# Altium PCB can_gateway_4.PcbDoc (part 1 of 2) (continued)
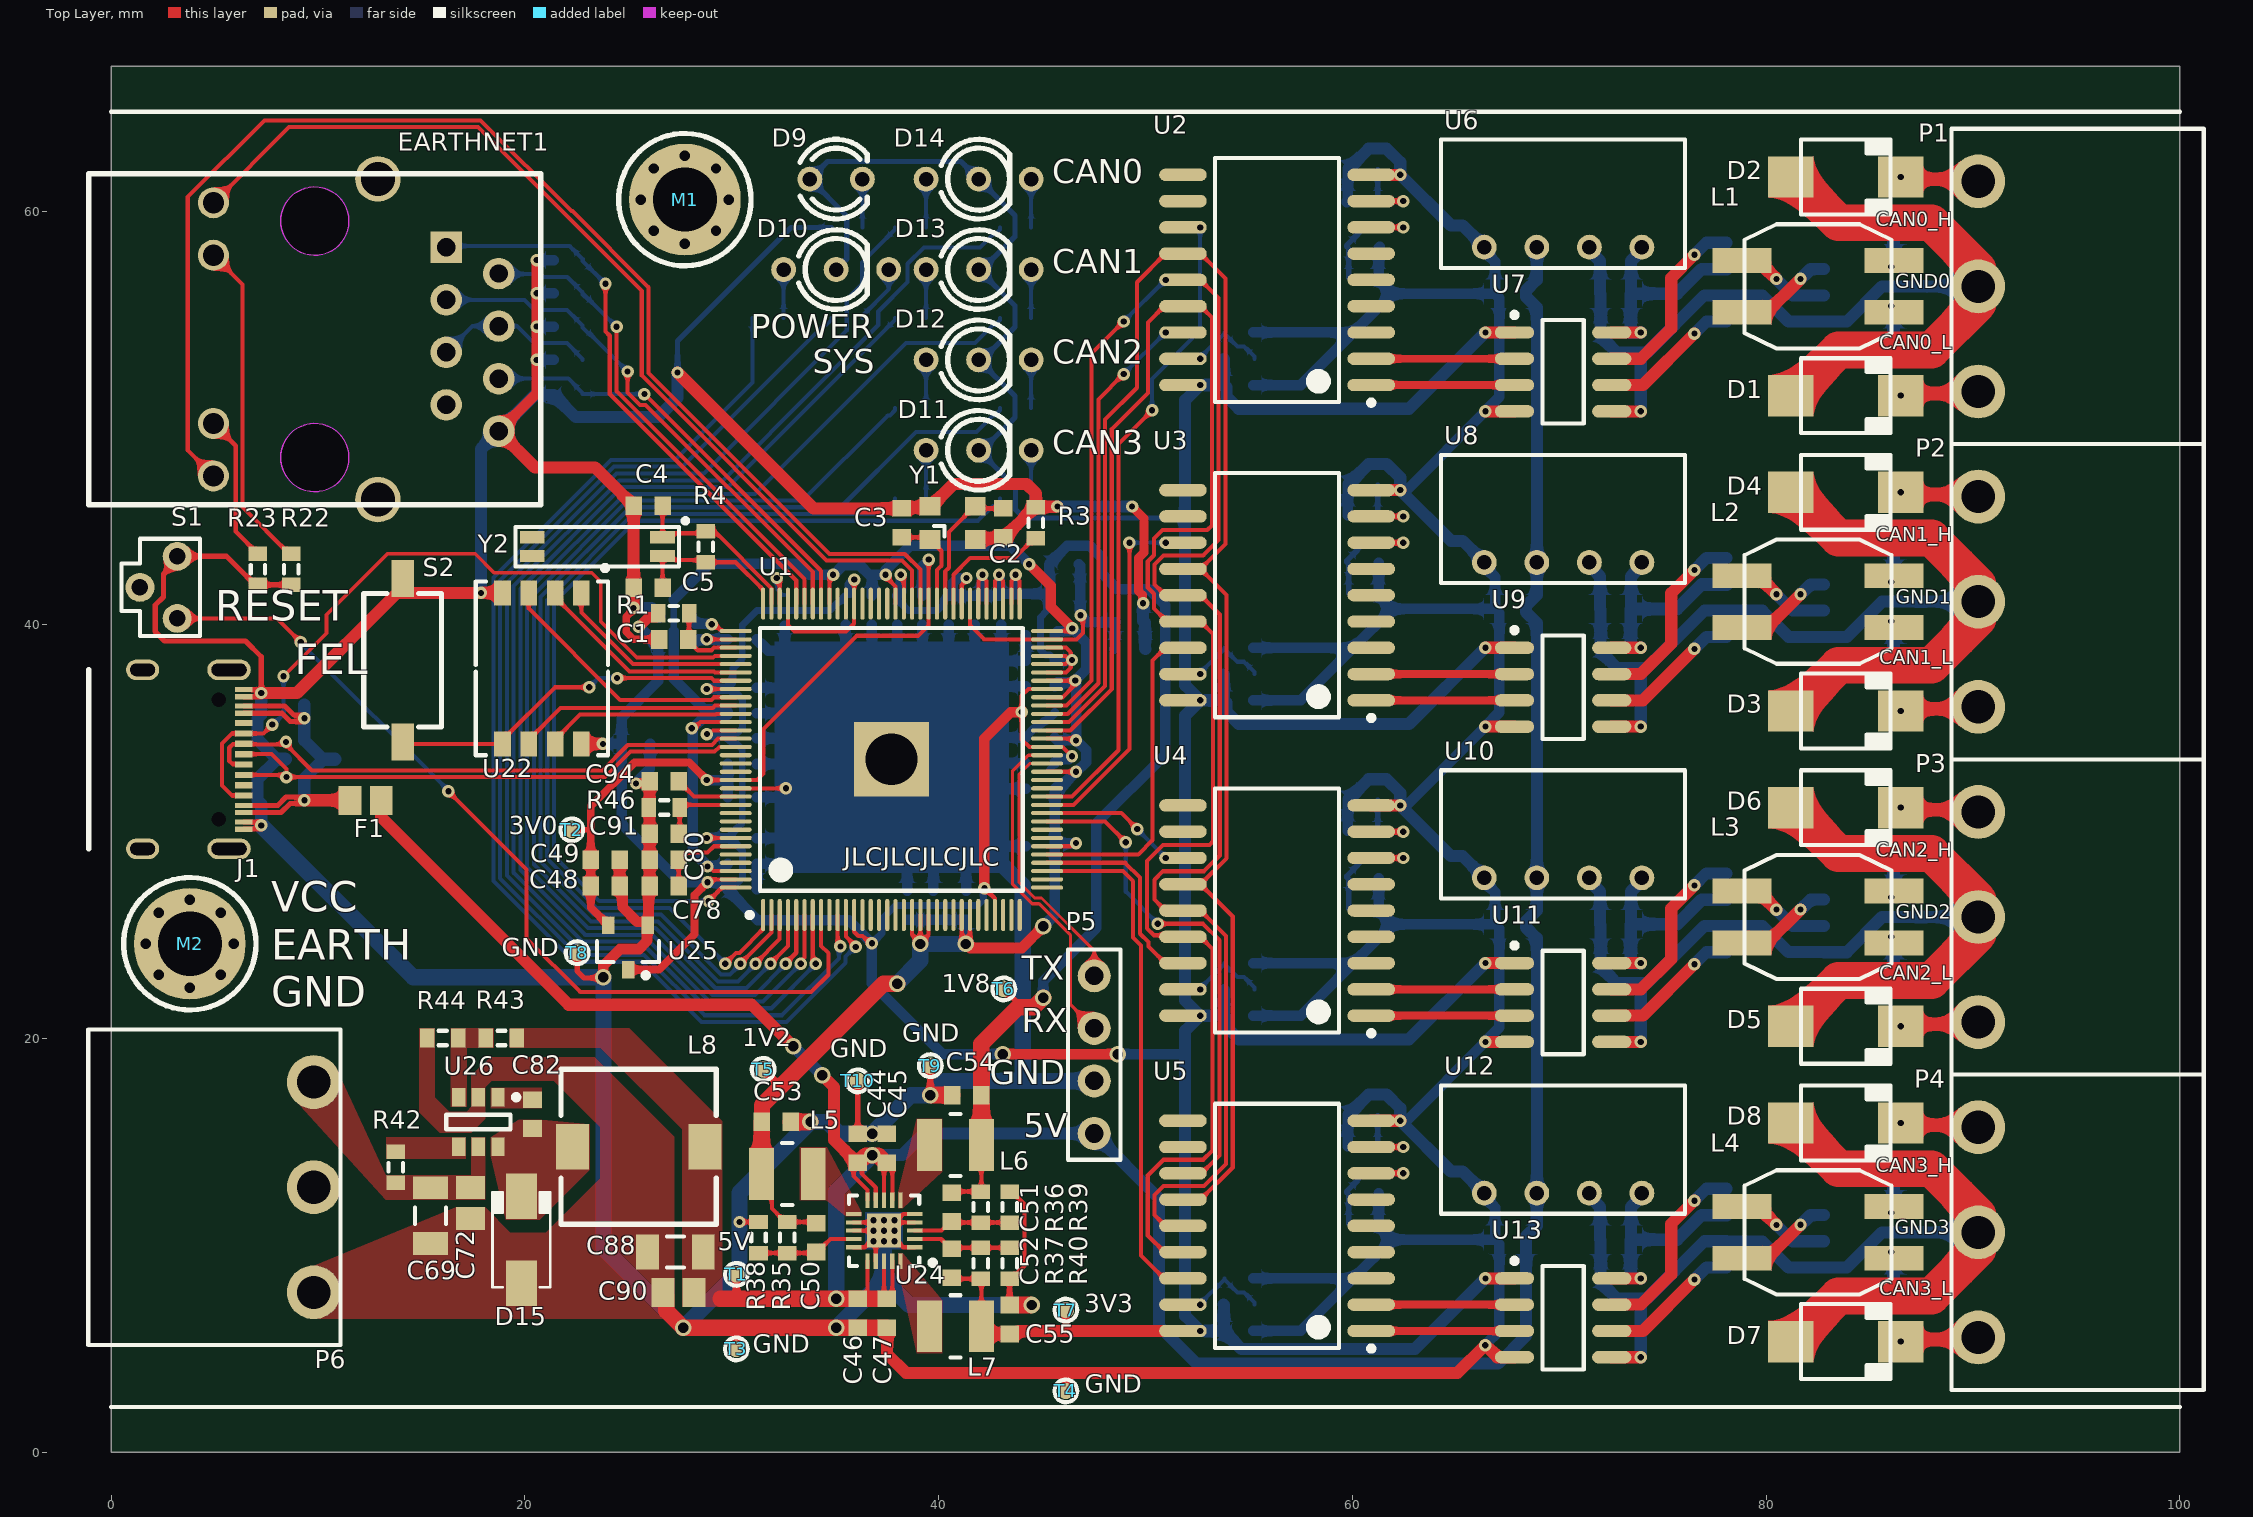
[diagram p0: Top Layer view]
## Footprints (in the part's own frame and the unit in brackets; to place one, negate y for a bottom-side part, rotate by r counter-clockwise, add the part's x,y. Pads: shape width x height; smd on the part's side, far side on the other; paste and mask are expansions set on the pad)
B_S-1WR2 [mm]
  round 1.2 hole 0.7: 1(0,0) 2(2.54,0) 3(5.08,0) 4(7.62,0)
  silkscreen extent -2.09,-1 9.71,5.2
CAPC1608L [mm] "Chip Capacitor, Body 1.6x0.8mm, IPC High Density"
  rect 0.8x0.9 smd: 1(-0.7,0) 2(0.7,0)
  body extent -0.87,-0.48 0.87,0.48, height 0.85
CAPC2012L [mm] "Chip Capacitor, Body 2.0x1.3mm, IPC High Density"
  rect 1.1x1.4 smd: 1(-0.75,0) 2(0.75,0)
  body extent -1.1,-0.72 1.1,0.72, height 1.4
CAPC3216L [mm] "Chip Capacitor, Body 3.2x1.6mm, IPC High Density"
  rect 1.1x1.7 smd: 1(-1.35,0) 2(1.35,0)
  silkscreen extent -0.4,-0.75 0.4,0.75, body extent -1.7,-0.9 1.7,0.9, height 1.35
DO-214AA [mm] "SMB"
  rect 2.2x2 smd: 1(-2.659,0) 2(2.661,0)
  silkscreen extent -2.16,-1.81 2.16,1.81
DO-214AC [mm] "SMA"
  rect 2.2x1.5 smd: 1(-2.1,0) 2(2.1,0)
  silkscreen extent -2.3,-1.4 2.3,1.4, body extent -2.6,-1.3 2.6,1.3, height 2.42
FUSE2012L [mm] "Body 2.0x1.2mm, IPC Low Density"
  rect 1.1x1.4 smd: 1(-0.75,0) 2(0.75,0)
  body extent -1.1,-0.72 1.1,0.72, height 1.4
HDR1X4 [mm] "Connector; Header; 4 Position"
  round 1.6 hole 0.9: 1(0,0) 2(2.54,0) 3(5.08,0) 4(7.62,0)
  silkscreen extent -1.27,-1.27 8.89,1.27
HR911105A [mm]
  rect 1.524x1.524 hole 0.889: 1(4.45,-6.35)
  round 1.524 hole 0.889: 2(3.18,-8.89) 3(1.91,-6.35) 4(0.64,-8.89) 5(-0.63,-6.35) 6(-1.9,-8.89) 7(-3.17,-6.35) 8(-4.44,-8.89)
  round 1.5 hole 1.02: 9(6.6,4.9) 10(4.064,4.9) 11(-4.064,4.9) 12(-6.6,4.9)
  round 2.2 hole 1.65: 13(7.75,-3.048) 14(-7.75,-3.048)
  Keep-Out Layer circle w0.051: c5.716,0 r1.65
  Keep-Out Layer circle w0.051: c-5.714,0 r1.65
  silkscreen extent -8,-10.92 8,10.92
IND0163-B [mm]
  rect 2.85x1.2 smd: 1(0,0) 2(7.35,0) 3(7.35,2.5) 4(0,2.5)
  silkscreen extent 0.13,-1.75 7.23,4.25
IND3012_L [mm] "Precision Wire Wound Inductor, 2-Leads, Body 3.00x3.00mm, IPC High Density"
  rect 1.2x2.5 smd: 1(-1.25,0) 2(1.25,0)
  silkscreen extent -0.25,-1.5 0.25,1.5, body extent -1.5,-1.5 1.5,1.5, height 1.2
IND_7545 [mm]
  rect 1.6x2.2 smd: 1(0,0) 2(6.4,0)
  silkscreen extent -0.55,-3.75 6.95,3.75
KF2EDGR-5.08-3P_S [mm]
  round 2.6 hole 1.6: 1(0,0) 2(5.08,0) 3(10.16,0)
  silkscreen extent -2.54,-1.3 12.7,10.9
LED_3 [mm] "3MM 发光二极管"
  round 1.2 hole 0.7: 1(-1.27,0) 2(1.27,0)
  silkscreen extent -1.74,-1.92 1.5,1.92
LED_3x2 [mm] "3MM 红绿双色 共阳 发光二极管"
  round 1.2 hole 0.7: 1(-2.54,0) 2(0,0) 3(2.54,0)
  silkscreen extent -1.81,-1.92 1.5,1.92
M3 [mm]
  round 0.5 hole 0.5: 1(-2.125,0) 1(-1.503,-1.503) 1(-1.503,1.503) 1(0,-2.125) 1(0,2.125) 1(1.503,-1.503) 1(1.503,1.503) 1(2.125,0)
  round 5.4 hole 3.1: 1(0,0)
MC-146 [mm] "kHz无源晶体 7.0mmx1.5mm"
  rect 1.2x0.6 smd: 0(6.3,0) 0(6.3,0.9) 1(0,0) 2(0,0.9)
  silkscreen extent -1.2,-0.9 7.1,1.4
QFN8_L [mm] "QFN, 8-Leads, Body 8.00x6.00mm, Pitch 1.27mm, IPC High Density"
  rect 1.2x0.8 smd: 1(-3.65,1.905) 2(-3.65,0.635) 3(-3.65,-0.635) 4(-3.65,-1.905) 5(3.65,-1.905) 6(3.65,-0.635) 7(3.65,0.635) 8(3.65,1.905)
  silkscreen extent -4.97,-3.2 4.2,3.2, body extent -4.05,-3.05 4.05,3.05, height 0.95
QFN20_L [mm] "QFN, 20-Leads, Body 3.00x3.00mm, Pitch 0.40mm, Thermal Pad 1.65x1.65mm, IPC High Density"
  rect 0.75x0.2 smd: 1(-1.475,0.8) 2(-1.475,0.4) 3(-1.475,0) 4(-1.475,-0.4) 5(-1.475,-0.8) 11(1.475,-0.8) 12(1.475,-0.4) 13(1.475,0) 14(1.475,0.4) 15(1.475,0.8)
  rect 0.2x0.75 smd: 6(-0.8,-1.475) 7(-0.4,-1.475) 8(0,-1.475) 9(0.4,-1.475) 10(0.8,-1.475) 16(0.8,1.475) 17(0.4,1.475) 18(0,1.475) 19(-0.4,1.475) 20(-0.8,1.475)
  rect 1.65x1.65 smd: 21(0,0)
  silkscreen extent -2.48,-1.7 1.7,1.7, body extent -1.55,-1.55 1.55,1.55, height 0.8
RESC1005L [mm] "Chip Resistor, Body 1.1x0.5mm, IPC High Density"
  rect 0.6x0.6 smd: 1(-0.5,0) 2(0.5,0)
  body extent -0.55,-0.3 0.55,0.3, height 0.4
RESC1608L [mm] "Chip Resistor, Body 1.6x0.8mm, IPC High Density"
  rect 0.7x0.9 smd: 1(-0.75,0) 2(0.75,0)
  silkscreen extent -0.2,-0.35 0.2,0.35, body extent -0.85,-0.48 0.85,0.48, height 0.6
RESC3216L [mm] "Chip Resistor, Body 3.2x1.6mm, IPC High Density"
  rect 1.1x1.7 smd: 1(-1.35,0) 2(1.35,0)
  silkscreen extent -0.4,-0.75 0.4,0.75, body extent -1.68,-0.87 1.68,0.87, height 0.71
SOIC8_L [mm] "SOIC, 8-Leads, Body 4.9x3.9mm, Pitch 1.27mm, IPC High Density"
  oval 1.9x0.6 smd: 1(-2.35,1.905) 2(-2.35,0.635) 3(-2.35,-0.635) 4(-2.35,-1.905) 5(2.35,-1.905) 6(2.35,-0.635) 7(2.35,0.635) 8(2.35,1.905)
  silkscreen extent -2.47,-2.5 1,2.88, body extent -2,-2.5 2,2.5, height 1.75
SOIC18_N [mm] "SOIC, 18-Leads, Body 11.5x7.5mm, Pitch 1.27mm, IPC Medium Density"
  oval 2.3x0.6 smd: 1(-4.55,5.08) 2(-4.55,3.81) 3(-4.55,2.54) 4(-4.55,1.27) 5(-4.55,0) 6(-4.55,-1.27) 7(-4.55,-2.54) 8(-4.55,-3.81) 9(-4.55,-5.08) 10(4.55,-5.08) 11(4.55,-3.81) 12(4.55,-2.54) 13(4.55,-1.27) 14(4.55,0) 15(4.55,1.27) 16(4.55,2.54) 17(4.55,3.81) 18(4.55,5.08)
  silkscreen extent -4.67,-5.9 3,6.05, body extent -3.8,-5.95 3.8,5.95, height 2.65
SOT23-6_L [mm] "SOT23, 6-Leads, Body 2.9x1.6mm, Pitch 0.95mm, Lead Span 2.7mm, IPC High Density"
  rect 0.9x0.65 smd: 1(-1.2,0.95) 2(-1.2,0) 3(-1.2,-0.95) 4(1.2,-0.95) 5(1.2,0) 6(1.2,0.95)
  silkscreen extent -1.32,-1.55 0.35,1.95, body extent -0.9,-1.55 0.9,1.55, height 1.45
SOT23_L [mm] "SOT23, 3-Leads, Body 2.9x1.3mm, Pitch 0.95mm, Lead Span 2.3mm - Reverse Pinning, IPC High Density"
  rect 0.85x0.6 smd: 1(1.075,0) 2(-1.075,-0.95) 3(-1.075,0.95)
  silkscreen extent -0.3,-1.5 1.48,1.5, body extent -0.7,-1.5 0.7,1.5, height 1.1
SW-3x6 [mm] "3x6x2.5mm"
  rect 1.8x1.1 smd: 1(0,0) 2(7.9,0)
  silkscreen extent 0.72,-1.88 7.18,1.88
SW_4.5x3.8 [mm] "边三脚 4.5*4.5*3.8MM 微动开关"
  round 1.4 hole 0.8: 1(-1.5,0.9) 2(1.5,0.9) 3(0,-0.9)
  silkscreen extent -2.35,-1.8 2.35,2
TEST_POINT_0.8 [mm] "测试点"
  round 0.8 smd: 1(0,0)
  silkscreen extent -0.55,-0.55 0.55,0.55
USB_TYPEC_16P [mm]
  rect 0x0 hole 0.7 unplated: 0(-1.065,-2.5) 0(4.715,-2.5)
  rect 0.25x0.85 smd: 1(-1.2,-1.285) 2(-0.4,-1.285) 7(4.05,-1.285) 8(4.85,-1.285) 9(5.2,-1.285) 10(4.4,-1.285) 15(-0.75,-1.285) 16(-1.55,-1.285)
  rect 0.3x0.85 smd: 3(0.575,-1.285) 4(1.575,-1.285) 5(2.075,-1.285) 6(3.075,-1.285) 11(3.575,-1.285) 12(2.575,-1.285) 13(1.075,-1.285) 14(0.075,-1.285)
  oval 1x2.1 hole 0.6 slot 1.7 at 90 deg: 17(-2.5,-2) 17(6.15,-2)
  oval 1x1.6 hole 0.6 slot 1.2 at 90 deg: 17(-2.5,-6.18) 17(6.15,-6.18)
  silkscreen extent -2.5,-8.78 6.15,-8.78
V3S_L [mm] "Thin QFP, 128-Leads, Body 14x14mm, Pitch 0.4mm, IPC High Density"
  oval 1.55x0.2 smd: 1(-7.525,6.2) 2(-7.525,5.8) 3(-7.525,5.4) 4(-7.525,5) 5(-7.525,4.6) 6(-7.525,4.2) 7(-7.525,3.8) 8(-7.525,3.4) 9(-7.525,3) 10(-7.525,2.6) 11(-7.525,2.2) 12(-7.525,1.8) 13(-7.525,1.4) 14(-7.525,1) 15(-7.525,0.6) 16(-7.525,0.2) 17(-7.525,-0.2) 18(-7.525,-0.6) 19(-7.525,-1) 20(-7.525,-1.4) 21(-7.525,-1.8) 22(-7.525,-2.2) 23(-7.525,-2.6) 24(-7.525,-3) 25(-7.525,-3.4) 26(-7.525,-3.8) 27(-7.525,-4.2) 28(-7.525,-4.6) 29(-7.525,-5) 30(-7.525,-5.4) 31(-7.525,-5.8) 32(-7.525,-6.2) 65(7.525,-6.2) 66(7.525,-5.8) 67(7.525,-5.4) 68(7.525,-5) 69(7.525,-4.6) 70(7.525,-4.2) 71(7.525,-3.8) 72(7.525,-3.4) 73(7.525,-3) 74(7.525,-2.6) 75(7.525,-2.2) 76(7.525,-1.8) 77(7.525,-1.4) 78(7.525,-1) 79(7.525,-0.6) 80(7.525,-0.2) 81(7.525,0.2) 82(7.525,0.6) 83(7.525,1) 84(7.525,1.4) 85(7.525,1.8) 86(7.525,2.2) 87(7.525,2.6) 88(7.525,3) 89(7.525,3.4) 90(7.525,3.8) 91(7.525,4.2) 92(7.525,4.6) 93(7.525,5) 94(7.525,5.4) 95(7.525,5.8) 96(7.525,6.2)
  oval 0.2x1.55 smd: 33(-6.2,-7.525) 34(-5.8,-7.525) 35(-5.4,-7.525) 36(-5,-7.525) 37(-4.6,-7.525) 38(-4.2,-7.525) 39(-3.8,-7.525) 40(-3.4,-7.525) 41(-3,-7.525) 42(-2.6,-7.525) 43(-2.2,-7.525) 44(-1.8,-7.525) 45(-1.4,-7.525) 46(-1,-7.525) 47(-0.6,-7.525) 48(-0.2,-7.525) 49(0.2,-7.525) 50(0.6,-7.525) 51(1,-7.525) 52(1.4,-7.525) 53(1.8,-7.525) 54(2.2,-7.525) 55(2.6,-7.525) 56(3,-7.525) 57(3.4,-7.525) 58(3.8,-7.525) 59(4.2,-7.525) 60(4.6,-7.525) 61(5,-7.525) 62(5.4,-7.525) 63(5.8,-7.525) 64(6.2,-7.525) 97(6.2,7.525) 98(5.8,7.525) 99(5.4,7.525) 100(5,7.525) 101(4.6,7.525) 102(4.2,7.525) 103(3.8,7.525) 104(3.4,7.525) 105(3,7.525) 106(2.6,7.525) 107(2.2,7.525) 108(1.8,7.525) 109(1.4,7.525) 110(1,7.525) 111(0.6,7.525) 112(0.2,7.525) 113(-0.2,7.525) 114(-0.6,7.525) 115(-1,7.525) 116(-1.4,7.525) 117(-1.8,7.525) 118(-2.2,7.525) 119(-2.6,7.525) 120(-3,7.525) 121(-3.4,7.525) 122(-3.8,7.525) 123(-4.2,7.525) 124(-4.6,7.525) 125(-5,7.525) 126(-5.4,7.525) 127(-5.8,7.525) 128(-6.2,7.525)
  rect 3.61x3.61 smd: 129(0,0)
  silkscreen extent -7.65,-6.35 6.35,6.97, body extent -7,-7 7,7, height 1.6
XTAL-3225 [mm]
  rect 1x0.9 smd: 1(-1.098,-0.798) 2(1.098,-0.798) 3(1.098,0.798) 4(-1.098,0.798)
  silkscreen extent -0.91,-0.66 -0.4,-0.15

## Part data
C1 C2 C3 C4 C5 C6 C7 C8 C9 C10 C11 C12 C13 C14 C15 C16 C17 C18 C19 C20 C21 C22 C23 C24 C25 C26 C27 C28 C29 C30 C31 C32 C33 C34 C35 C36 C37 C38 C39 C40 C41 C42 C43 C44 C45 C46 C47 C48 C49 C50 C51 C52 C53 C54 C55 C56 C57 C58 C59 C60 C61 C62 C63 C64 C65 C66 C67 C68 C69 C70 C71 C72 C73 C74 C75 C76 C77 C78 C79 C80 C81 C82 C83 C84 C85 C86 C87 C88 C89 C90 C91 C92 C93 C94: library part Cap1, "Capacitor", LatestRevisionDate=17-Jul-2002, LatestRevisionNote="Re-released for DXP Platform.", PackageReference=RAD-0.3, Published=8-Jun-2000, Publisher="Altium Limited"
D1 D2 D3 D4 D5 D6 D7 D8: library part Tranzorb1, "Transient Voltage Suppression (TVS) Diode", LatestRevisionDate=17-Jul-2002, LatestRevisionNote="Re-released for DXP Platform.", PackageDescription="Axial Lead Diode", PackageReference=DO-7, Published=24-Mar-1999, Publisher="Altium Limited"
D9: "Typical RED GaAs LED", LatestRevisionDate=08-Jul-2005, LatestRevisionNote="Mech Layer 1 removed.", PackageDescription="LED; 2 Leads", PackageReference=LED-1, Published=8-Jun-2000, Publisher="Altium Limited"
D10 D11 D12 D13 D14: "共阳红绿双色二极管", LatestRevisionDate=08-Jul-2005, LatestRevisionNote="Mech Layer 1 removed.", PackageDescription="LED; 2 Leads", PackageReference=LED-1, Published=8-Jun-2000, Publisher="Altium Limited"
D15: library part "D Schottky", "Schottky Diode", Code_JEDEC=DO-214-AA, LatestRevisionDate=17-Jul-2002, LatestRevisionNote="Re-released for DXP Platform.", PackageReference=SMB, Published=8-Jun-2000, Publisher="Altium Limited"
F1: library part "Fuse 2", "Fuse", LatestRevisionDate=17-Jul-2002, LatestRevisionNote="Re-released for DXP Platform.", PackageDescription="Thru-Hole; 2 Leads", PackageReference=PIN-W2/E2.8, Published=8-Jun-2000, Publisher="Altium Limited"
L1 L2 L3 L4: library part Inductor1, "共模电感", Code_IEC=1005, Code_JEITA=0402, LatestRevisionDate=29-May-2009, LatestRevisionNote="IPC-7351 Footprint Added.", PackageDescription="Chip Inductor", PackageReference=0402-A, Published=8-Jun-2000, Publisher="Altium Limited"
L5 L6 L7 L8: library part Inductor, "Inductor", Code_IEC=1005, Code_JEITA=0402, LatestRevisionDate=29-May-2009, LatestRevisionNote="IPC-7351 Footprint Added.", PackageDescription="Chip Inductor", PackageReference=0402-A, Published=8-Jun-2000, Publisher="Altium Limited"
P1 P2 P3 P4 P6: "Header, 3-Pin", LatestRevisionDate=17-Jul-2002, LatestRevisionNote="Re-released for DXP Platform.", Publisher="Altium Limited"
P5: "Header, 4-Pin", LatestRevisionDate=17-Jul-2002, LatestRevisionNote="Re-released for DXP Platform.", Publisher="Altium Limited"
R1 R2 R3 R4 R5 R6 R7 R8 R9 R10 R11 R12 R13 R14 R15 R16 R17 R18 R19 R20 R21 R22 R23 R24 R25 R26 R27 R28 R29 R30 R31 R32 R33 R34 R35 R36 R37 R38 R39 R40 R41 R42 R43 R44 R45 R46 R47: library part Res1, "Resistor", LatestRevisionDate=17-Jul-2002, LatestRevisionNote="Re-released for DXP Platform.", PackageReference=AXIAL-0.4, Published=8-Jun-2000, Publisher="Altium Limited"
S1 S2: "Switch", LatestRevisionDate=17-Jul-2002, LatestRevisionNote="Re-released for DXP Platform.", PackageDescription="Switch; 2 Leads", PackageReference=SPST-2, Published=24-Mar-1999, Publisher="Altium Limited"
T1 T2 T3 T4 T5 T6 T7 T8 T9 T10: "测试点"
U1: "全志 ARM Cortex-A7 SoC，内置64MB DDR2"
U2 U3 U4 U5: "Stand-Alone CAN Controller With SPI Interface, 18-Pin SOIC, Industrial Temperature", Supplier Part Number 1=MCP2515-I/SO-ND, Code_JEDEC=MS-013, ComponentLink1Description=Datasheet, ComponentLink1URL=http://ww1.microchip.com/downloads/en/DeviceDoc/21801e.pdf, ComponentLink2Description="Packaging Specification", ComponentLink2URL=http://www.microchip.com/stellent/groups/techpub_sg/documents/packagingspec/en012702.pdf, ComponentLink3Description="Microchip.com Home", ComponentLink3URL=http://www.microchip.com/, DatasheetVersion="revE, Nov-2007", PackageDescription="18-Lead Plastic Small Outline (SO) - Wide 7.50mm Body [SOIC]", PackageReference=SOIC-SO18, PackageVersion="revBB, Aug-2009", Published=29-Jan-2009, Publisher="Altium Limited", Supplier 1=Digi-Key, Supplier 2=Farnell, Supplier Part Number 2=1292239
U6 U8 U10 U12: "DC/DC 模块电源 1W，定电压输入，隔离非稳压单路输出"
U7 U9 U11 U13: library part ADUM1201, "双通道数字隔离器（1/1通道方向性）"
U14 U15 U16 U17: "具有待机模式的高速CAN收发器"
U18 U19 U20 U21: library part Tranzorb2
U22: "贴片式SD卡"
U23: library part NUP4201
U25: library part LDO-SOT23-3
U26: "1.2A, 24V, 1.4MHz异步降压转换器"
Y1 Y3 Y4 Y5 Y6: library part XTAL_PASSIVE_4, "Crystal Oscillator", LatestRevisionDate=17-Jul-2002, LatestRevisionNote="Re-released for DXP Platform.", PackageDescription="Crystal, Thru-Hole; 2 Leads; Body 3.1 x 8.2 mm (Dia.xH)", PackageReference=R38, Published=8-Jun-2000, Publisher="Altium Limited"
Y2: library part XTAL, "Crystal Oscillator", LatestRevisionDate=17-Jul-2002, LatestRevisionNote="Re-released for DXP Platform.", PackageDescription="Crystal, Thru-Hole; 2 Leads; Body 3.1 x 8.2 mm (Dia.xH)", PackageReference=R38, Published=8-Jun-2000, Publisher="Altium Limited"

## Free pads (board coordinates)
  round 3.5 hole 2.5: 2(37.72,33.503)

## Via types
v1: diameter 0.6, hole 0.3, Top Layer to Bottom Layer, tented both sides, 159 vias
v2: diameter 0.8, hole 0.5, Top Layer to Bottom Layer, tented both sides, 18 vias
v3: diameter 0.6, hole 0.3, Top Layer to Bottom Layer, 2 vias

## Nets (pads, with @x,y where several pads share a name; then routed paths per layer and width w, separated by ;. In a path a pad name is that pad's centre, name@x,y a point inside that pad or via, vN(x,y) a via of type N, cw(c..) or ccw(c..) an arc to the next point about the centre after c; other vN are vias at no path point)
1V2: C50.2 C53.2 C56.2 C58.2 C60.2 C62.2 C64.2 C65.2 C67.2 C70.2 C73.2 C75.2 C77.2 L5.2 R35.2 T5.1 U1.19 U1.20 U1.21 U1.25 U1.26 U1.38 U1.47 U1.51 U1.56 U1.58 U1.64 U1.80 U1.88 U1.108 U1.126 | length 115.2
  Top Layer w0.198: v1@28.169,35.077 28.277,35.077 28.5,35.3 U1.108@30.195,35.3 ; v1(28.829,28.321) 28.902,28.321 29.123,28.1 U1.126@30.195,28.1 ; L5.2@31.44,13.462 31.941,12.961 31.941,11.79 32.592,11.139 R35.2@32.692,11.139 34.039,11.139 C50.2@34.089,11.089 ; U1.88@34.72,41.025 v1@34.72,42.377 ; v1(37.44,42.418) 37.44,42.342 37.92,41.862 U1.80@37.92,41.025 ; U1.19@38.72,25.975 38.72,25.023 v2@39.12,24.623 ; U1.20@39.12,25.975 v2@39.12,24.623 ; U1.21@39.52,25.975 39.52,25.023 v2@39.12,24.623 ; U1.25@41.12,25.975 41.12,24.887 v2@41.32,24.687 ; v2(41.32,24.578) v2@41.32,24.687 ; U1.26@41.52,25.975 41.52,24.887 v2@41.32,24.687 ; U1.38@45.245,29.3 46.381,29.3 46.533,29.452 v1(46.642,29.452) ; U1.47@45.245,32.9 v1@46.597,32.9 ; U1.51@45.245,34.5 v1@46.597,34.5 ; U1.56@45.245,36.5 45.981,36.5 46.532,37.051 46.532,37.235 46.597,37.3 U1.58@45.245,37.3 ; U1.64@45.245,39.7 v1@46.597,39.7
  Top Layer w0.254: T5.1@31.521,18.517 32.36,17.678
  Top Layer w0.508: v2(41.32,24.578) 41.345,24.578 41.541,24.381 44.016,24.381 v2(45.06,25.425) ; v1(44.374,42.926) 45.415,41.885 45.415,40.869 v1(46.457,39.827)
  Top Layer w0.787: L5.2@31.44,13.462 31.45,13.472 31.45,15.97 C53.2@31.456,15.977 31.463,15.983 31.463,16.782 32.36,17.678 37.338,22.657 v2(37.998,22.657)
  Bottom Layer w0.33: 27.203,39.697 27.203,41.217
  Bottom Layer w0.508: 27.203,39.697 27.203,37.389 28.677,35.916 29.674,35.916 29.82,35.77 C73.2@29.82,35.738 29.82,35.688 29.674,35.542 28.661,35.542 28.117,34.998 28.117,29.058 28.829,28.346 v1(28.829,28.321) 28.847,28.339 29.711,28.339 C75.2@29.82,28.448 ; 27.203,41.217 28.933,42.947 33.228,42.947 33.752,42.422 v1(34.9,42.422) 34.924,42.422 35.373,42.87 36.202,42.87 36.65,42.422 36.779,42.422 ; C70.2@36.779,41.4 36.779,42.422 ; C77.2@38.481,25.741 C58.2@39.751,25.741 C56.2@41.326,25.741 41.323,25.739 41.323,24.581 v2(41.32,24.578) ; v1(44.374,42.926) 43.464,43.836 38.631,43.836 37.457,42.662 37.457,42.436 v1(37.44,42.418) 36.783,42.418 36.779,42.422 ; v2(45.06,25.425) 45.62,25.986 C64.2@45.62,29.3 ; C62.2@45.62,34.552 45.738,34.435 46.624,34.435 v1(46.642,34.417) ; C67.2@45.62,37.025 45.62,37.075 45.766,37.221 46.492,37.221 46.584,37.313 v1(46.609,37.313) ; C65.2@45.62,39.497 45.62,39.547 45.766,39.693 46.297,39.693 46.432,39.827 v1(46.457,39.827) 46.457,39.802 47.128,39.131 47.128,37.856 46.627,37.355 46.627,37.328 46.642,37.313 v1(46.642,34.417) ; v1(46.642,29.452) 46.624,29.435 45.755,29.435 C64.2@45.62,29.3 ; C64.2@45.62,29.3 C60.2@45.62,32.08 45.689,32.149 45.891,32.149 v1(46.642,32.9) 46.661,32.9 47.128,33.367 47.128,33.931 v1(46.642,34.417)
  Bottom Layer w0.787: v2(37.998,22.657) 39.118,23.776 39.118,24.576 v2(39.12,24.578) v2(41.32,24.578)
  other v1: 28.067,35.001
1V8: C51.2 C54.2 C79.2 C81.2 C83.2 C85.2 C86.2 C92.2 L6.2 R36.2 R45.1 T6.1 U1.59 U1.60 U1.61 U1.62 U1.65 U1.66 U1.67 U1.68 U1.69 U1.70 U1.72 U1.79 | length 78.9
  Top Layer w0.198: U1.79@38.32,41.025 v1@38.32,42.165 ; C51.2@40.638,12.562 40.688,12.612 R36.2@42.035,12.612 42.068,12.644 L6.2@42.068,14.859 ; U1.72@41.12,41.025 41.12,41.926 41.351,42.157 v1(41.351,42.266) ; U1.70@41.92,41.025 41.92,42.113 v1@42.12,42.313 ; v1(42.12,42.422) v1@42.12,42.313 ; U1.69@42.32,41.025 42.32,42.113 v1@42.12,42.313 ; U1.68@42.72,41.025 42.72,42.113 v1@42.92,42.313 ; v1(42.92,42.422) v1@42.92,42.313 ; U1.67@43.12,41.025 43.12,42.113 v1@42.92,42.313 ; U1.66@43.52,41.025 43.52,42.113 v1@43.72,42.313 ; v1(43.72,42.422) v1@43.72,42.313 ; U1.65@43.92,41.025 43.92,42.113 v1@43.72,42.313 ; U1.59@45.245,37.7 46.159,37.7 46.38,37.922 46.38,38.233 v1(46.447,38.3) ; U1.60@45.245,38.1 46.139,38.1 46.338,38.3 46.139,38.5 U1.61@45.245,38.5 ; U1.62@45.245,38.9 46.159,38.9 46.38,38.678 v1@46.38,38.367
  Top Layer w0.254: T6.1@43.155,22.403 43.84,21.717 43.84,21.514
  Top Layer w0.787: L6.2@42.068,14.859 C54.2@42.068,17.272 42.068,19.741 43.84,21.514 44.602,21.514 v2(45.06,21.971)
  Bottom Layer w0.33: C86.2@37.998,41.4 37.998,41.224 38.53,40.692 39.956,40.692 40.2,40.937 40.2,41.165 C81.2@40.435,41.4 ; R45.1@45.326,41.605 45.223,41.503 45.223,40.66 44.928,40.365 44.928,38.791 45.173,38.546 45.385,38.546 45.62,38.311 C85.2@45.62,38.261
  Bottom Layer w0.508: C86.2@37.998,41.4 38.194,41.595 38.194,42.4 v1(38.176,42.418) ; C81.2@40.435,41.4 C81.2@40.485,41.4 C81.2@40.535,41.4 ; v1(41.351,42.266) 41.334,42.248 40.912,42.248 40.681,42.017 40.681,41.546 C81.2@40.535,41.4 ; C79.2@41.756,41.4 C81.2@40.535,41.4 ; C79.2@41.902,41.4 C83.2@43.028,41.4 ; C79.2@41.902,41.496 42.102,41.696 42.102,42.404 v1(42.12,42.422) ; v1(42.92,42.422) 42.938,42.404 42.938,41.49 C83.2@43.028,41.4 ; v1(43.72,42.422) 43.702,42.404 43.702,41.747 C83.2@43.458,41.503 ; v2(45.06,21.971) 45.06,22.784 47.625,25.349 47.625,30.404 50.952,33.731 50.952,40.945 50.165,41.732 48.641,41.732 47.904,42.469 47.904,43.231 47.32,43.815 46.215,43.815 45.376,42.976 C92.2@45.376,42.926 45.351,42.901 45.351,41.63 R45.1@45.326,41.605 ; R45.1@45.223,41.503 C83.2@43.458,41.503 ; C85.2@45.62,38.261 45.642,38.282 46.429,38.282 v1(46.447,38.3) ; C83.2@43.028,41.4 43.13,41.503 C83.2@43.458,41.503
3.3V_ETH: C38.2 EARTHNET1.4 EARTHNET1.5 | length 7.8
  Bottom Layer w0.198: EARTHNET1.5@16.199,53.171 17.469,54.441 EARTHNET1.4@18.739,54.441 19.626,54.441 20.447,53.619 22.035,53.619 22.798,52.857 C38.2@22.798,52.807
3V0: C48.2 C49.2 C74.2 C87.2 C89.2 T2.1 U1.76 U1.115 U25.2 | length 36.7
  Top Layer w0.198: v1@28.843,32.5 U1.115@30.195,32.5 31.23,32.5 31.547,32.817 31.547,34.976 36.043,39.472 39.014,39.472 39.52,39.977 U1.76@39.52,41.025 39.52,43.153 v1(39.522,43.155)
  Top Layer w0.254: T2.1@22.27,30.093 23.184,30.093
  Top Layer w0.381: 23.19,30.099 23.186,30.095 ; U25.2@24.044,25.484 23.186,26.342 C48.2@23.186,27.381 C49.2@23.186,28.645 23.186,30.095 ; v1@28.843,32.5 v1(28.798,32.5) 27.948,33.35 25.298,33.35 23.186,31.238 23.186,30.095
  Bottom Layer w0.508: v1(28.798,32.5) 28.816,32.482 29.807,32.482 29.82,32.469 ; C89.2@29.82,31.664 29.82,32.469 ; C87.2@29.82,33.275 29.82,32.469 ; C74.2@39.218,41.4 39.218,42.825 39.522,43.13 v1(39.522,43.155)
3V3: C18.2 C19.2 C20.2 C21.2 C43.1 C52.2 C55.2 C57.2 C59.2 C61.2 C63.2 C66.2 C68.2 C76.2 D9.1 D10.2 D11.2 D12.2 D13.2 D14.2 L7.2 R1.1 R5.1 R6.1 R7.1 R8.1 R37.2 R41.1 T7.1 U1.12 U1.29 U1.50 U1.57 U1.85 U1.93 U1.104 U1.109 U1.122 U1.127 U2.18 U3.18 U4.18 U5.18 U7.1 U9.1 U11.1 U13.1 U22.8 U25.1 | length 297.7
  Top Layer w0.198: v1@28.843,29.7 U1.122@30.195,29.7 ; v1@28.843,36.9 U1.104@30.195,36.9 ; v1@29.079,27.7 U1.127@30.195,27.7 ; 29.091,34.9 U1.109@30.195,34.9 ; U1.93@32.72,41.025 32.72,40 33.045,39.675 35.535,39.675 35.916,40.056 35.916,41.029 U1.85@35.92,41.025 v1(35.92,42.189) ; U1.12@35.92,25.975 35.92,25.167 36.117,24.97 36.313,24.97 36.67,24.613 v1(36.779,24.613) ; C52.2@40.638,8.444 40.688,8.394 R37.2@42.035,8.394 42.068,8.362 L7.2@42.068,6.096 ; v1(42.215,27.28) 42.72,26.774 U1.29@42.72,25.975 ; U1.50@45.245,34.1 45.996,34.1 v1(46.447,33.649) ; U1.50@45.245,34.1 44.386,34.1 44.018,34.468 v1(44.018,35.789) 44.018,36.576 44.342,36.9 U1.57@45.245,36.9
  Top Layer w0.254: 46.152,5.872 T7.1@46.152,6.883
  Top Layer w0.381: U25.1@24.994,23.334 26.484,23.334 28.211,25.062 28.211,26.941 v1(28.829,27.559)
  Top Layer w0.508: v1(25.502,39.903) 25.526,39.903 25.995,40.372 26.344,40.372 26.44,40.468 R1.1@26.44,40.568 ; v1(42.215,27.28) 42.215,34.493 43.493,35.771 44.001,35.771 v1(44.018,35.789) ; v2(43.104,19.253) v2(48.666,19.253)
  Top Layer w0.584: U22.8@22.733,34.247 v1(23.774,34.247) ; L7.2@42.068,6.096 42.068,6.034 42.376,5.726 C55.2@43.432,5.726 43.725,5.726 43.87,5.872 46.152,5.872 U5.18@51.81,5.872 ; v1(66.429,8.412) U13.1@67.834,8.412 ; v1(66.429,23.652) U11.1@67.834,23.652 ; v1(66.429,38.892) U9.1@67.834,38.892 ; v1(66.429,54.132) U7.1@67.834,54.132
  Bottom Layer w0.254: D10.2@35.047,57.175 35.56,57.688 35.56,59.762 D9.1@33.777,61.544 34.631,62.398 41.081,62.398 D14.2@41.935,61.544 43.688,59.792 43.688,58.763 D13.2@42.1,57.175 ; D12.2@41.935,52.807 43.688,51.054 43.688,50.026 42.1,48.438 D11.2@41.935,48.438 43.713,46.66 43.713,45.568 44.12,45.161 51.918,45.161 ; D13.2@41.935,57.175 43.688,55.423 43.688,54.394 D12.2@42.1,52.807
  Bottom Layer w0.33: C61.2@29.82,27.229 29.82,27.279 30.055,27.514 30.282,27.514 30.528,27.759 30.528,29.086 30.206,29.408 30.055,29.408 29.82,29.643 C76.2@29.82,29.693 29.82,29.743 30.512,30.435 30.512,33.978 30.257,34.234 30.055,34.234 29.82,34.469 C66.2@29.82,34.519 29.82,34.558 29.82,34.569 30.055,34.804 30.308,34.804 30.528,35.024 30.528,36.401 30.257,36.672 30.055,36.672 29.82,36.907 C63.2@29.82,36.957 30.055,37.192 30.055,37.902 30.512,38.36 30.512,39.986 31.218,40.692 34.751,40.692 35.459,41.4 C68.2@35.509,41.4 ; v1(36.779,24.613) 37.262,25.095 37.262,25.785 37.91,26.434 41.881,26.434 42.163,26.716 42.163,27.228 v1(42.215,27.28) ; C57.2@45.385,33.031 45.62,33.266 C57.2@45.62,33.316
  Bottom Layer w0.508: v1(23.774,34.247) C43.1@24.675,34.247 ; v1(25.502,39.903) 25.526,39.903 26.118,39.312 26.357,39.312 26.453,39.216 R41.1@26.453,39.116 26.453,37.299 24.675,35.52 C43.1@24.675,34.247 ; v1(28.798,29.7) 28.802,29.696 29.816,29.696 C76.2@29.82,29.693 ; v1(28.798,36.9) 28.816,36.918 29.781,36.918 C63.2@29.82,36.957 ; v1(28.804,34.722) 28.821,34.704 29.674,34.704 C66.2@29.82,34.558 ; C61.2@29.82,27.229 29.82,27.179 31.269,25.73 35.662,25.73 v1(36.779,24.613) 36.779,22.682 40.208,19.253 v2(43.104,19.253) ; C61.2@29.82,27.279 29.674,27.425 29.624,27.425 29.507,27.541 28.847,27.541 v1(28.829,27.559) 27.508,27.559 24.675,30.393 C43.1@24.675,34.247 ; C68.2@35.705,41.546 35.705,41.95 35.92,42.165 v1(35.92,42.189) ; C57.2@45.62,33.316 45.62,33.366 45.766,33.512 46.286,33.512 46.422,33.649 v1(46.447,33.649) ; v2(48.666,19.253) 51.892,19.253 51.918,19.279
  Bottom Layer w0.584: v1@52.643,36.343 51.918,35.618 51.918,21.837 v1(52.643,21.112) ; v1(52.643,36.352) C19.2@53.812,36.352 ; v1@52.643,36.356 51.918,37.082 51.918,45.161 51.918,50.862 v1@52.643,51.588 ; v1(52.643,51.592) C18.2@53.812,51.592 53.92,51.484 53.92,51.033 54.508,50.444 62.741,50.444 v1(66.429,54.132) ; R8.1@53.762,7.142 53.787,7.117 53.787,5.897 C21.2@53.812,5.872 v1(52.643,5.872) 52.643,5.876 51.918,6.602 51.918,19.279 51.918,20.382 52.643,21.108 v1(52.643,21.112) ; C20.2@53.787,21.137 R7.1@53.787,22.357 ; C19.2@53.787,36.377 R6.1@53.787,37.597 ; C18.2@53.787,51.617 R5.1@53.787,52.837 ; C20.2@53.812,21.112 v1(52.643,21.112) ; C21.2@53.92,5.764 53.92,5.714 54.631,5.003 63.019,5.003 v1(66.429,8.412) ; C20.2@53.92,21.004 53.92,20.553 54.508,19.964 62.741,19.964 v1(66.429,23.652) ; C19.2@53.92,36.244 53.92,35.793 54.508,35.204 62.741,35.204 v1(66.429,38.892)
5V: C22.2 C23.2 C24.2 C25.2 C44.1 C45.1 C46.1 C47.1 C88.2 C90.2 F1.2 L8.2 P5.1 R43.2 T1.1 U6.2 U8.2 U10.2 U12.2 U24.7 U24.8 U24.9 U24.10 U24.16 U24.18 U24.19 | length 159.6
  Top Layer w0.198: C44.1@36.093,14.005 35.89,13.802 35.89,13.36 36.563,12.687 U24.10@36.563,12.194 ; C46.1@36.143,7.444 36.563,7.864 U24.16@36.563,9.244 ; C44.1@36.143,14.005 36.297,13.852 36.297,13.462 36.963,12.795 U24.9@36.963,12.194 ; U24.18@37.363,9.244 37.363,7.571 37.49,7.444 37.763,7.717 U24.19@37.763,9.244 ; U24.8@37.363,12.194 37.363,13.867 C45.1@37.49,13.994 37.763,13.721 U24.7@37.763,12.194
  Top Layer w0.254: 30.226,7.429 T1.1@30.226,8.611
  Top Layer w0.584: F1.2@13.057,31.521 13.057,30.707 22.123,21.641 30.963,21.641 v2(32.969,19.634) ; v2(34.379,18.224) 34.95,17.653 34.95,15.098 36.043,14.005 C44.1@36.093,14.005
  Top Layer w0.787: 29.464,7.429 30.226,7.429 v2(35.052,7.429) C46.1@36.093,7.429 C46.1@36.1,7.436 ; C44.1@36.093,14.005 36.143,14.005 36.493,14.355 36.783,14.355 v2(36.786,14.357) 36.788,14.355 37.079,14.355 37.44,13.994 C45.1@37.49,13.994 ; C46.1@36.1,7.429 C47.1@37.482,7.429
  Bottom Layer w0.584: v2(32.969,19.634) v2(34.379,18.224) ; v2(36.786,14.357) v2@36.805,14.376 ; v2@36.786,14.376 v2@36.805,14.376 ; U6.2@68.914,58.256 68.914,56.677 68.394,56.157 C22.2@68.394,56.007 68.394,55.857 68.914,55.337 U8.2@68.914,43.016 68.914,41.437 68.394,40.917 C23.2@68.394,40.767 68.394,40.617 68.914,40.097 U10.2@68.914,27.776 68.914,26.197 68.394,25.677 C24.2@68.394,25.527 68.394,25.377 68.914,24.857 U12.2@68.914,12.536 68.914,10.957 68.394,10.437 C25.2@68.394,10.287 68.394,5.64 67.045,4.292 52.477,4.292 50.648,6.121 50.648,12.294 P5.1@47.523,15.418 39.294,15.418 38.252,14.376 v2@36.805,14.376
  Bottom Layer w0.787: v2(35.052,7.429) 35.052,12.624 v2(36.786,14.357)
24V: C69.2 C72.2 P6.3 R42.2 U26.5
A5V_1: C26.2 C30.1 U6.4 U7.8 U14.3 | length 11.4
  Top Layer w0.584: U7.8@72.534,54.132 v1(73.939,54.132)
  Bottom Layer w0.584: C26.2@73.474,56.007 73.474,57.583 73.994,58.103 U6.4@73.994,58.256
  Bottom Layer w0.61: v1(73.939,54.132) C30.1@73.424,54.132 73.449,54.157 73.449,55.982 C26.2@73.474,56.007 75.692,56.007 76.878,57.193 78.087,57.193 U14.3@78.092,57.198
A5V_2: C27.2 C31.1 U8.4 U9.8 U15.3 | length 11.4
  Top Layer w0.584: U9.8@72.534,38.892 v1(73.939,38.892)
  Bottom Layer w0.584: C27.2@73.474,40.767 73.474,42.343 73.994,42.863 U8.4@73.994,43.016
  Bottom Layer w0.61: v1(73.939,38.892) C31.1@73.424,38.892 73.449,38.917 73.449,40.742 C27.2@73.474,40.767 75.692,40.767 76.878,41.953 78.087,41.953 U15.3@78.092,41.958
A5V_3: C28.2 C32.1 U10.4 U11.8 U16.3 | length 11.4
  Top Layer w0.584: U11.8@72.534,23.652 v1(73.939,23.652)
  Bottom Layer w0.584: C28.2@73.474,25.527 73.474,27.103 73.994,27.623 U10.4@73.994,27.776
  Bottom Layer w0.61: v1(73.939,23.652) C32.1@73.424,23.652 73.449,23.677 73.449,25.502 C28.2@73.474,25.527 75.692,25.527 76.878,26.713 78.087,26.713 U16.3@78.092,26.718
A5V_4: C29.2 C33.1 U12.4 U13.8 U17.3 | length 11.4
  Top Layer w0.584: U13.8@72.534,8.412 v1(73.939,8.412)
  Bottom Layer w0.584: C29.2@73.474,10.287 73.474,11.863 73.994,12.383 U12.4@73.994,12.536
  Bottom Layer w0.61: v1(73.939,8.412) C33.1@73.424,8.412 73.449,8.437 73.449,10.262 C29.2@73.474,10.287 75.692,10.287 76.878,11.473 78.087,11.473 U17.3@78.092,11.478
AGND_0: C26.1 C30.2 C34.1 D1.1 D2.1 P1.2 R17.2 U6.3 U7.5 U14.2 U14.8 U18.1 | length 52.3
  Top Layer w0.584: U7.5@72.534,50.322 v1(73.939,50.322) ; D1.1@81.089,51.079 D1.1@81.189,51.079
  Top Layer w1.778: D2.1@81.189,61.646 81.289,61.646 83.499,59.436 87.986,59.436 90.25,57.172 P1.2@90.25,56.36 ; D1.1@81.289,51.074 83.499,53.284 87.986,53.284 P1.2@90.25,55.548
  Bottom Layer w0.584: U6.3@71.454,58.256 71.454,58.103 71.974,57.583 C26.1@71.974,56.007 71.999,55.982 71.999,54.157 C30.2@72.024,54.132 72.024,53.909 72.771,53.162 74.244,53.162 77.01,55.928 U14.2@78.092,55.928 78.095,55.924 79.813,55.924 81.077,54.661 82.789,54.661 U14.8@82.792,54.658 83.893,54.658 85.595,56.36 U18.1@88.197,56.36 P1.2@90.25,56.36 ; v1(73.939,50.322) 73.939,53.111
AGND_1: C27.1 C31.2 C35.1 D3.1 D4.1 P2.2 R18.2 U8.3 U9.5 U15.2 U15.8 U19.1 | length 52
  Top Layer w0.584: U9.5@72.534,35.082 v1(73.939,35.082)
  Top Layer w1.778: D4.1@81.189,46.406 81.289,46.406 83.499,44.196 87.986,44.196 90.25,41.932 P2.2@90.25,41.12 ; D3.1@81.289,35.834 83.499,38.044 87.986,38.044 P2.2@90.25,40.308
  Bottom Layer w0.584: U8.3@71.454,43.016 71.454,42.863 71.974,42.343 C27.1@71.974,40.767 71.999,40.742 71.999,38.917 C31.2@72.024,38.892 ; C31.2@72.024,38.669 72.771,37.922 74.244,37.922 77.01,40.688 U15.2@78.092,40.688 78.095,40.684 79.813,40.684 81.077,39.421 82.789,39.421 U15.8@82.792,39.418 83.893,39.418 85.595,41.12 U19.1@88.197,41.12 P2.2@90.25,41.12 ; v1(73.939,35.082) 73.939,37.871
AGND_2: C28.1 C32.2 C36.1 D5.1 D6.1 P3.2 R19.2 U10.3 U11.5 U16.2 U16.8 U20.1 | length 52
  Top Layer w0.584: U11.5@72.534,19.842 v1(73.939,19.842)
  Top Layer w1.778: D6.1@81.189,31.166 81.289,31.166 83.499,28.956 87.986,28.956 90.25,26.692 P3.2@90.25,25.88 ; D5.1@81.289,20.594 83.499,22.804 87.986,22.804 P3.2@90.25,25.068
  Bottom Layer w0.584: U10.3@71.454,27.776 71.454,27.623 71.974,27.103 C28.1@71.974,25.527 71.999,25.502 71.999,23.677 C32.2@72.024,23.652 ; C32.2@72.024,23.429 72.771,22.682 74.244,22.682 77.01,25.448 U16.2@78.092,25.448 78.095,25.444 79.813,25.444 81.077,24.181 82.789,24.181 U16.8@82.792,24.178 83.893,24.178 85.595,25.88 U20.1@88.197,25.88 P3.2@90.25,25.88 ; v1(73.939,19.842) 73.939,22.631
AGND_3: C29.1 C33.2 C37.1 D7.1 D8.1 P4.2 R20.2 U12.3 U13.5 U17.2 U17.8 U21.1 | length 52
  Top Layer w0.584: U13.5@72.534,4.602 v1(73.939,4.602)
  Top Layer w1.778: D8.1@81.189,15.926 81.289,15.926 83.499,13.716 87.986,13.716 90.25,11.452 P4.2@90.25,10.64 ; D7.1@81.289,5.354 83.499,7.564 87.986,7.564 P4.2@90.25,9.828
  Bottom Layer w0.584: U12.3@71.454,12.536 71.454,12.383 71.974,11.863 C29.1@71.974,10.287 71.999,10.262 71.999,8.437 C33.2@72.024,8.412 ; C33.2@72.024,8.189 72.771,7.442 74.244,7.442 77.01,10.208 U17.2@78.092,10.208 78.095,10.204 79.813,10.204 81.077,8.941 82.789,8.941 U17.8@82.792,8.938 83.893,8.938 85.595,10.64 U21.1@88.197,10.64 P4.2@90.25,10.64 ; v1(73.939,4.602) 73.939,7.391
CAN0_H: D2.2 P1.1 R10.1 | length 3.8
  Top Layer w0.635: D2.2@86.612,61.543 P1.1@90.147,61.543
  Bottom Layer w0.635: v1(86.509,61.646) R10.1@86.612,61.543 ; P1.1@90.147,61.543 P1.1@90.25,61.44
CAN0_L: D1.2 P1.3 R9.1 | length 3.8
  Top Layer w0.635: D1.2@86.609,51.18 P1.3@90.15,51.18
  Bottom Layer w0.635: v1(86.509,51.079) R9.1@86.609,51.18 ; P1.3@90.15,51.18 P1.3@90.25,51.28
CAN0_RX: U2.2 U7.2 | length 6.9
  Top Layer w0.381: U2.2@60.91,52.862 U7.2@67.834,52.862
CAN0_TX: U2.1 U7.3 | length 6.9
  Top Layer w0.381: U2.1@60.91,51.592 U7.3@67.834,51.592
CAN1_H: D4.2 P2.1 R12.1 | length 3.8
  Top Layer w0.635: D4.2@86.612,46.303 P2.1@90.147,46.303
  Bottom Layer w0.635: v1(86.509,46.406) R12.1@86.612,46.303 ; P2.1@90.147,46.303 P2.1@90.25,46.2
CAN1_L: D3.2 P2.3 R11.1 | length 3.8
  Top Layer w0.635: D3.2@86.609,35.94 P2.3@90.15,35.94
  Bottom Layer w0.635: v1(86.509,35.839) R11.1@86.609,35.94 ; P2.3@90.15,35.94 P2.3@90.25,36.04
CAN1_RX: U3.2 U9.2 | length 6.9
  Top Layer w0.381: U3.2@60.91,37.622 U9.2@67.834,37.622
CAN1_TX: U3.1 U9.3 | length 6.9
  Top Layer w0.381: U3.1@60.91,36.352 U9.3@67.834,36.352
CAN2_H: D6.2 P3.1 R14.1 | length 3.8
  Top Layer w0.635: D6.2@86.612,31.063 P3.1@90.147,31.063
  Bottom Layer w0.635: v1(86.509,31.166) R14.1@86.612,31.063 ; P3.1@90.147,31.063 P3.1@90.25,30.96
CAN2_L: D5.2 P3.3 R13.1 | length 3.8
  Top Layer w0.635: D5.2@86.609,20.7 P3.3@90.15,20.7
  Bottom Layer w0.635: v1(86.509,20.599) R13.1@86.609,20.7 ; P3.3@90.15,20.7 P3.3@90.25,20.8
CAN2_RX: U4.2 U11.2 | length 6.9
  Top Layer w0.381: U4.2@60.91,22.382 U11.2@67.834,22.382
CAN2_TX: U4.1 U11.3 | length 6.9
  Top Layer w0.381: U4.1@60.91,21.112 U11.3@67.834,21.112
CAN3_H: D8.2 P4.1 R16.1 | length 3.8
  Top Layer w0.635: D8.2@86.612,15.823 P4.1@90.147,15.823
  Bottom Layer w0.635: v1(86.509,15.926) R16.1@86.612,15.823 ; P4.1@90.147,15.823 P4.1@90.25,15.72
CAN3_L: D7.2 P4.3 R15.1 | length 3.8
  Top Layer w0.635: D7.2@86.609,5.46 P4.3@90.15,5.46
  Bottom Layer w0.635: v1(86.509,5.359) R15.1@86.609,5.46 ; P4.3@90.15,5.46 P4.3@90.25,5.56
CAN3_RX: U5.2 U13.2 | length 6.9
  Top Layer w0.381: U5.2@60.91,7.142 U13.2@67.834,7.142